# Altium PCB PCB_AirMeter.PcbDoc
Units mm, origin at the board's own origin, x right, y up, seen from the top; angles counter-clockwise.
Board outline 88 x 94 mm, 2 copper layers (Top Layer, Bottom Layer); 87 components, 71 nets, 382 pads, 78 vias.
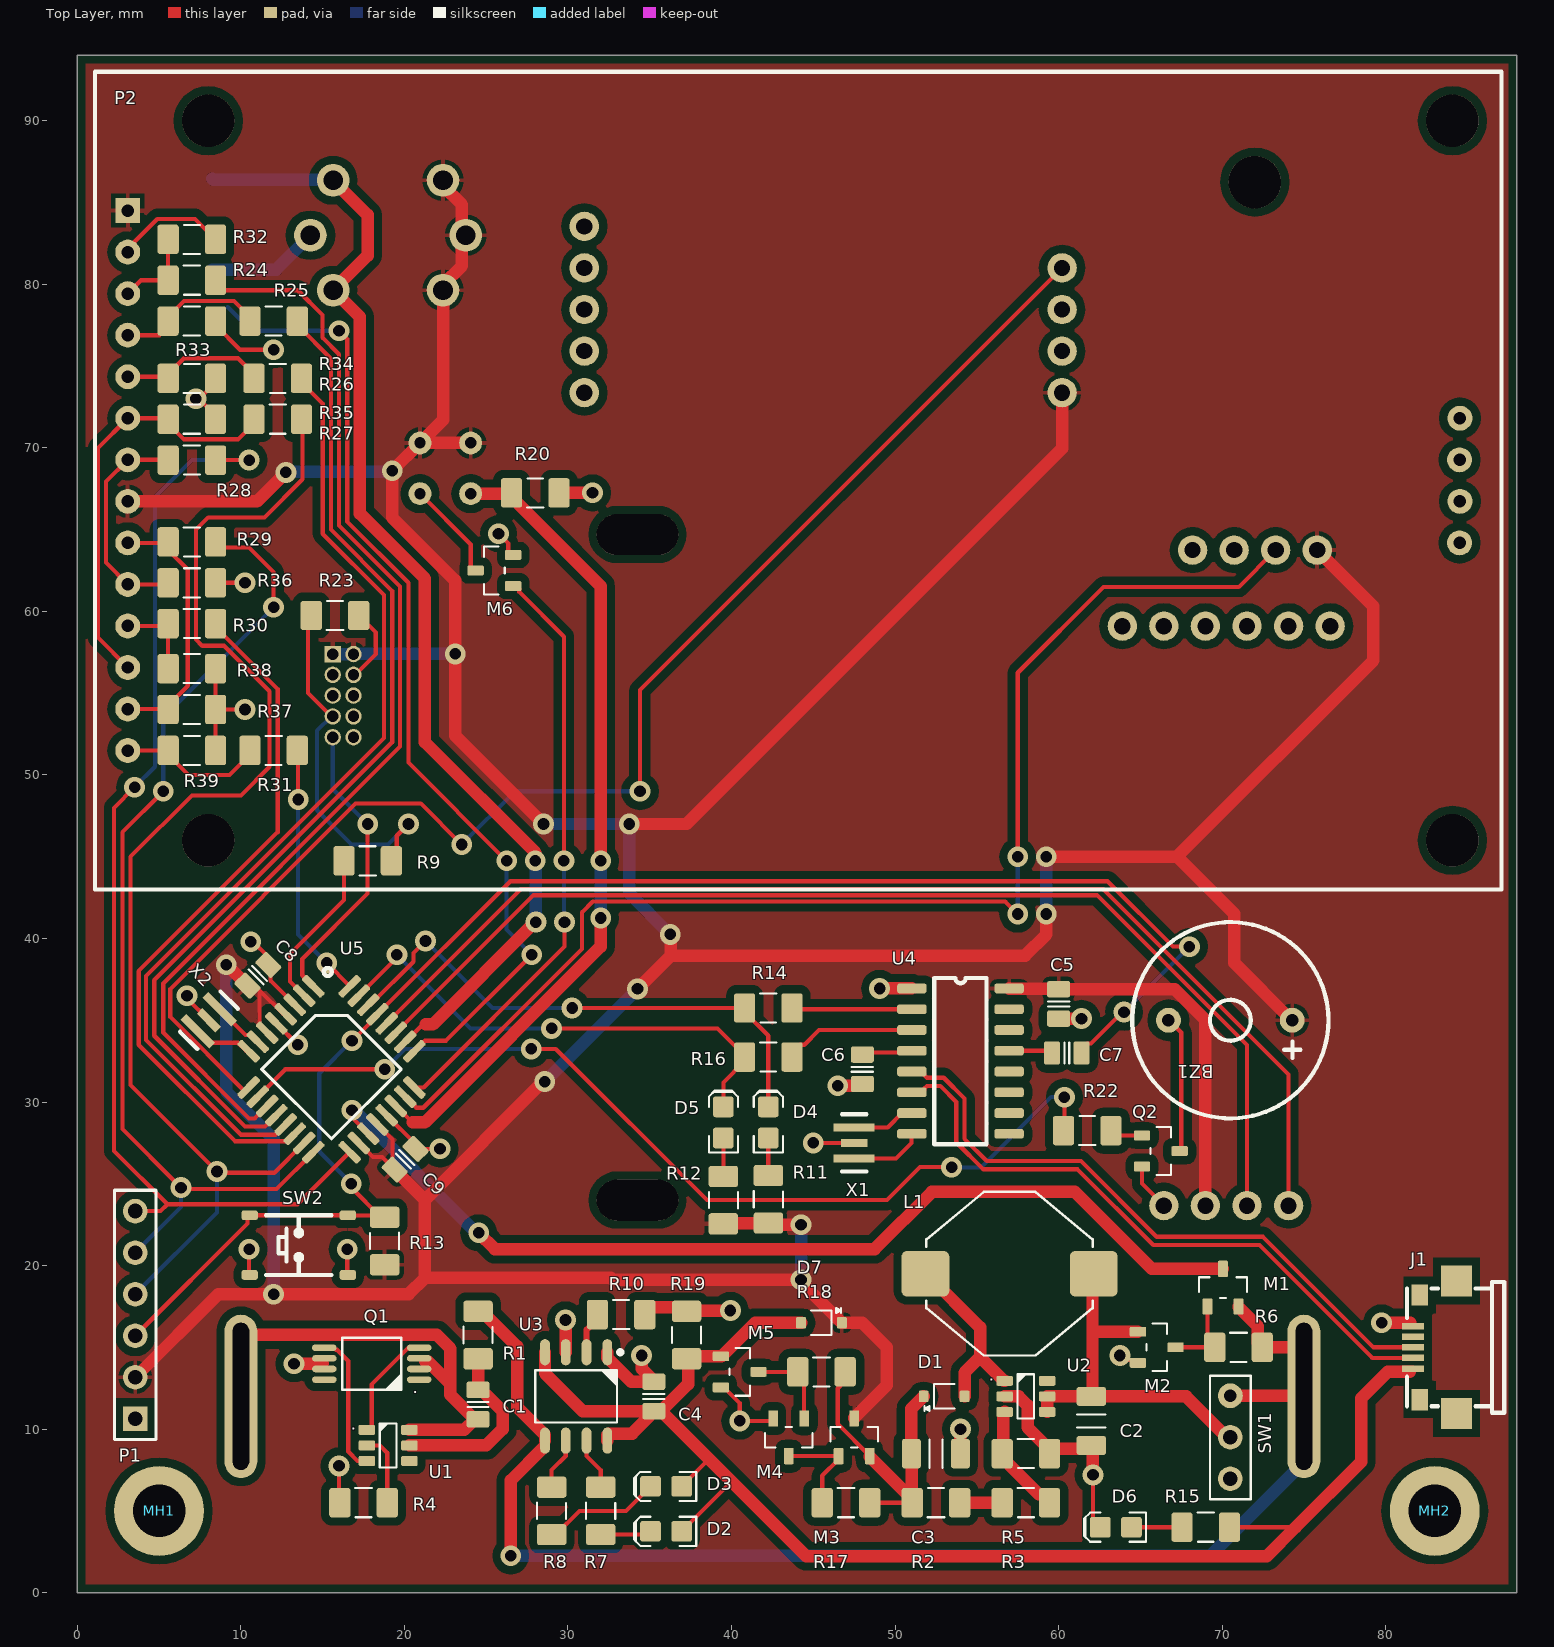
[diagram p0: Top Layer view]
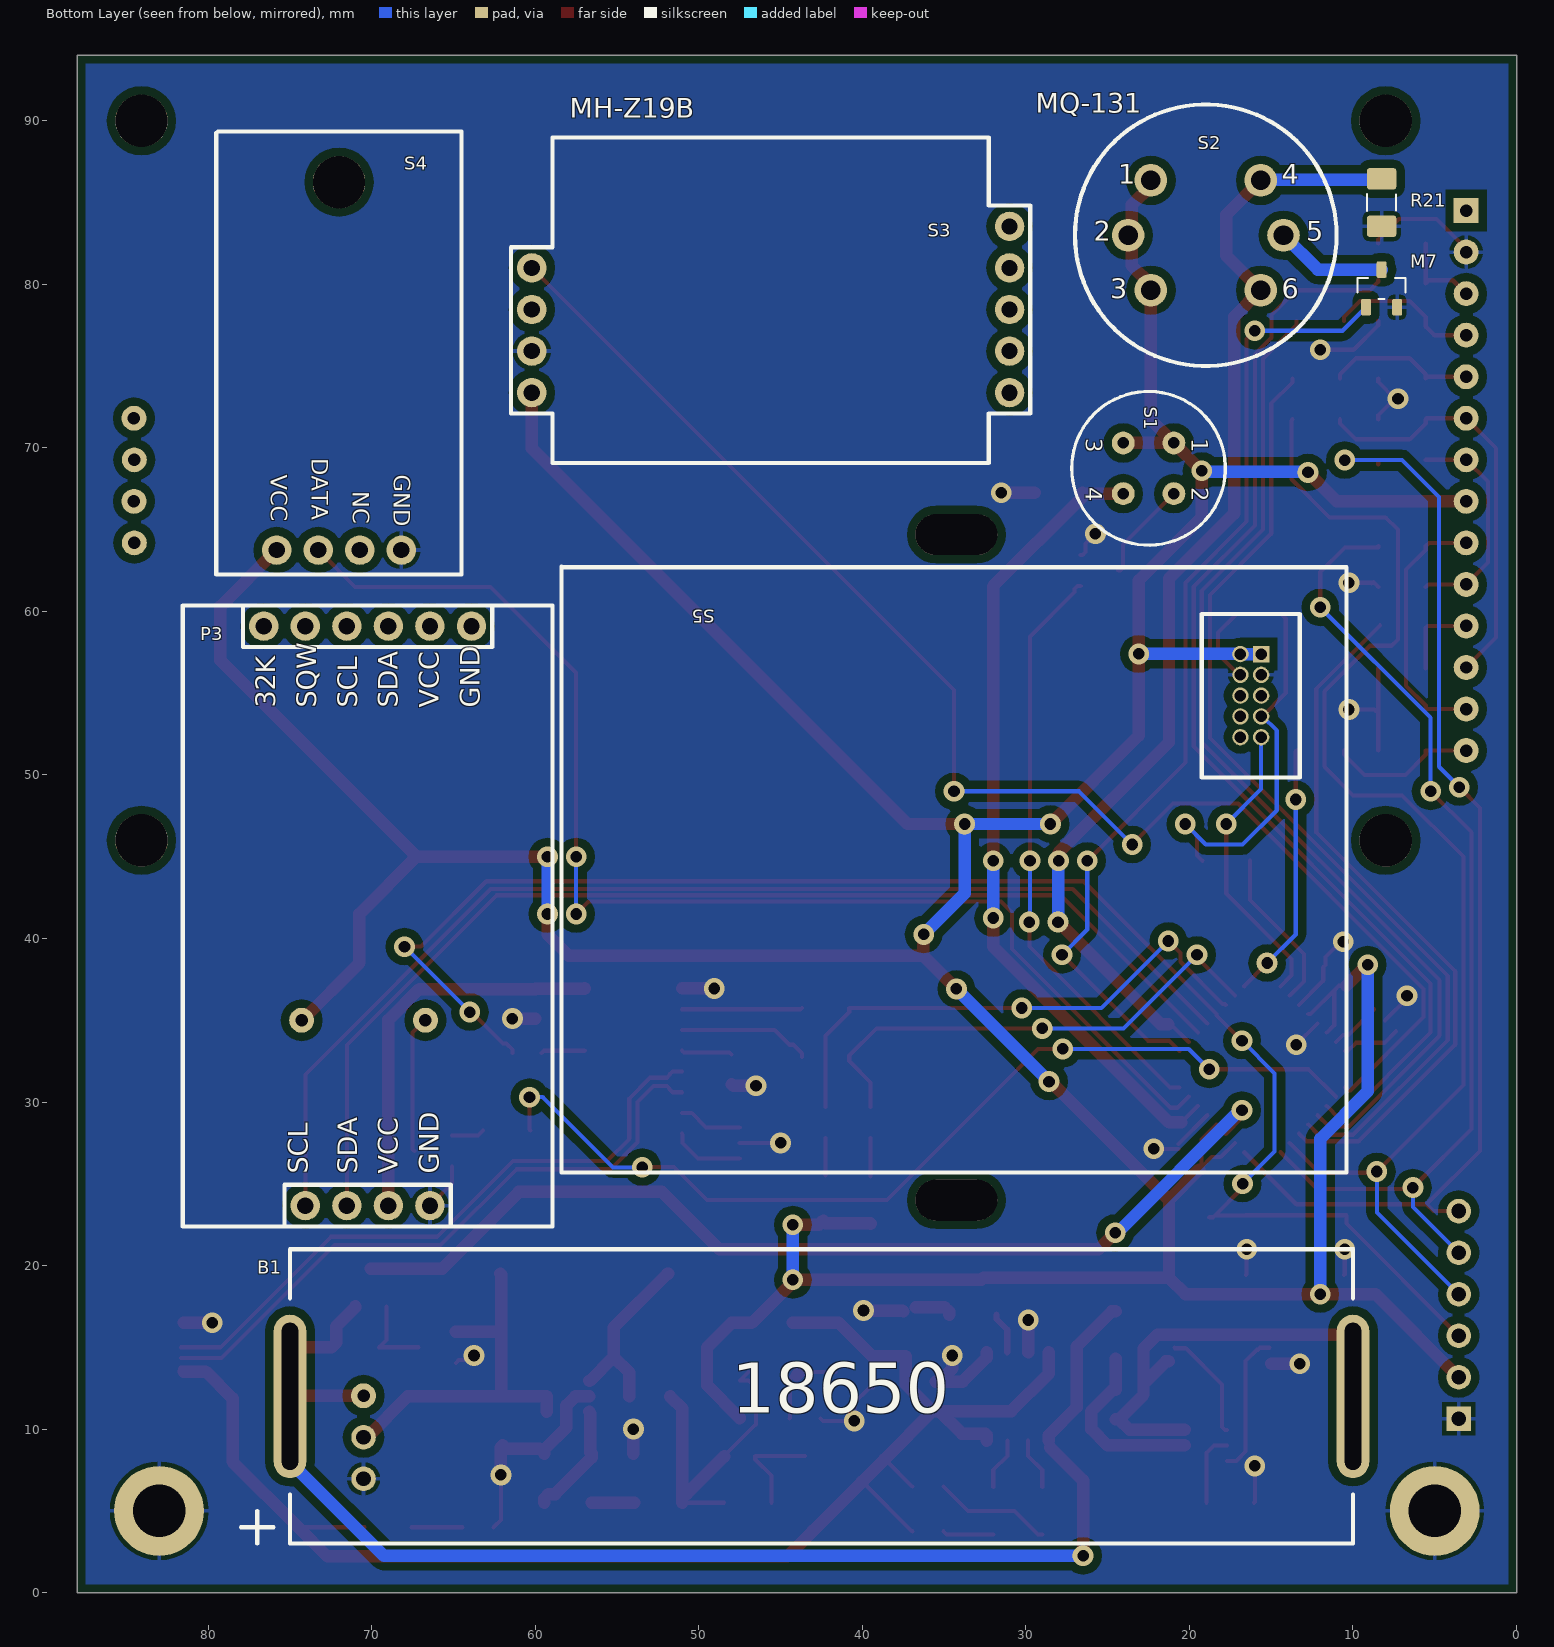
[diagram p1: Bottom Layer view, seen from below]
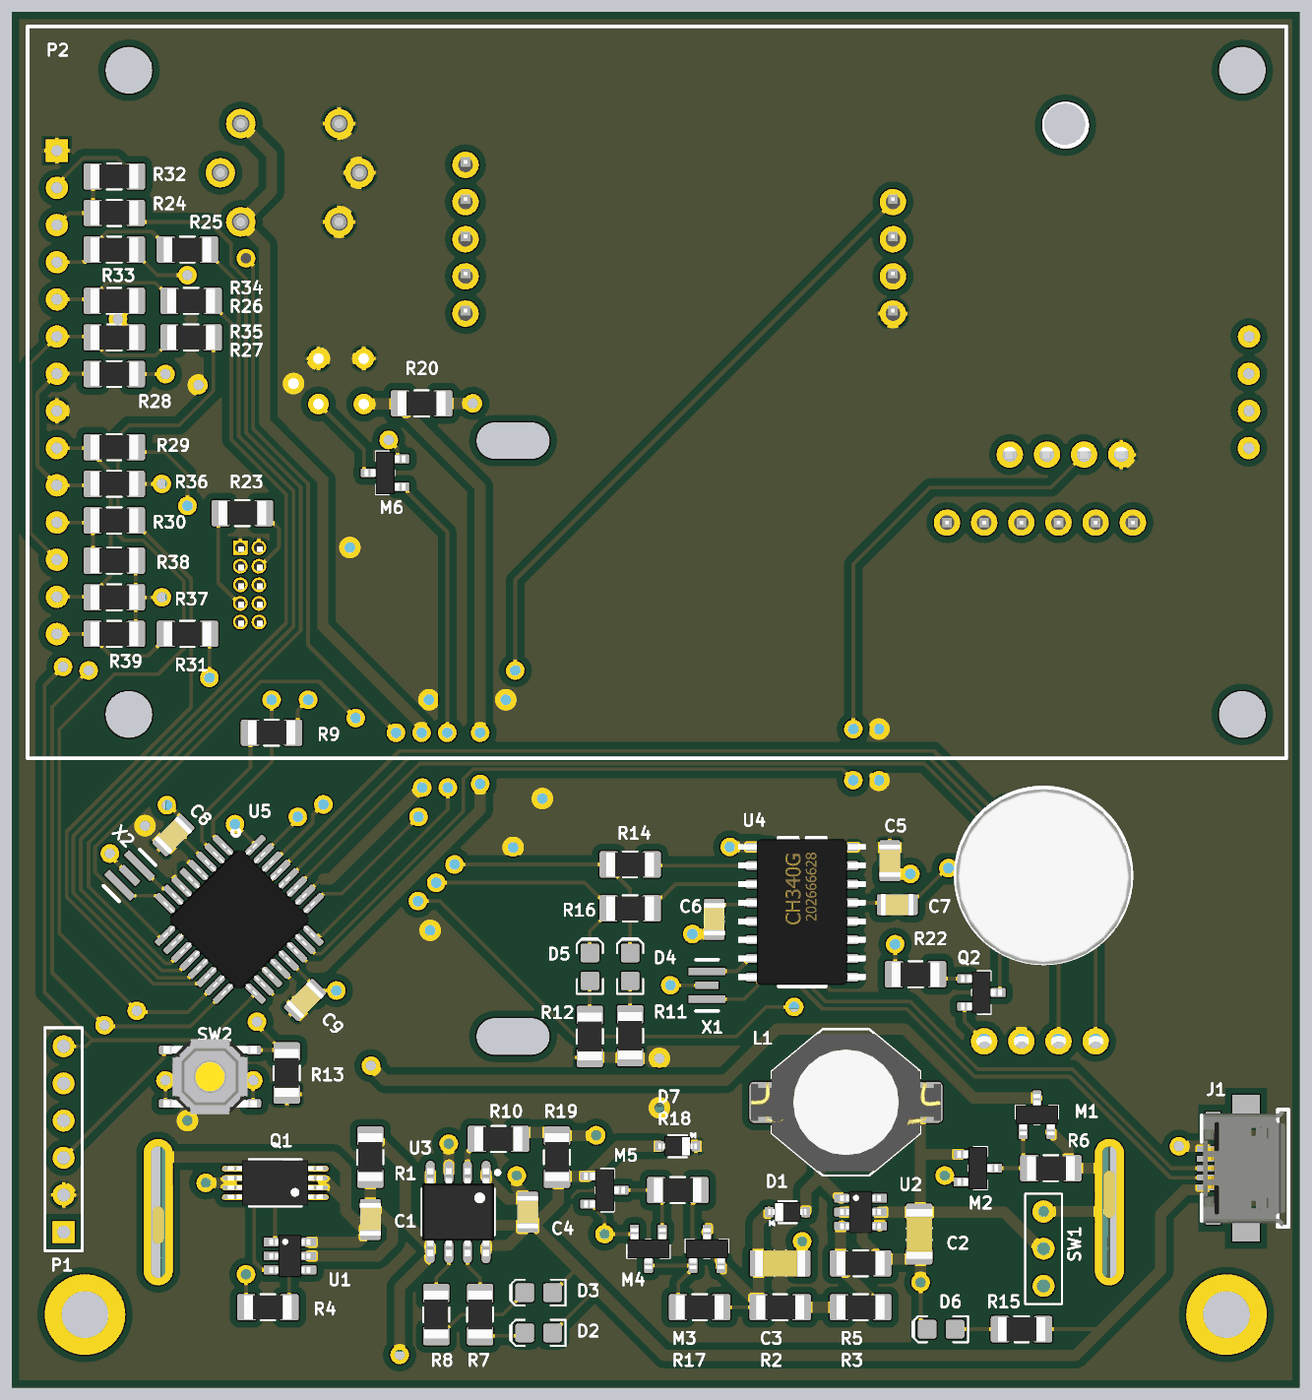
[diagram p2: 3D render of the assembled board from above, using the file's embedded part models]
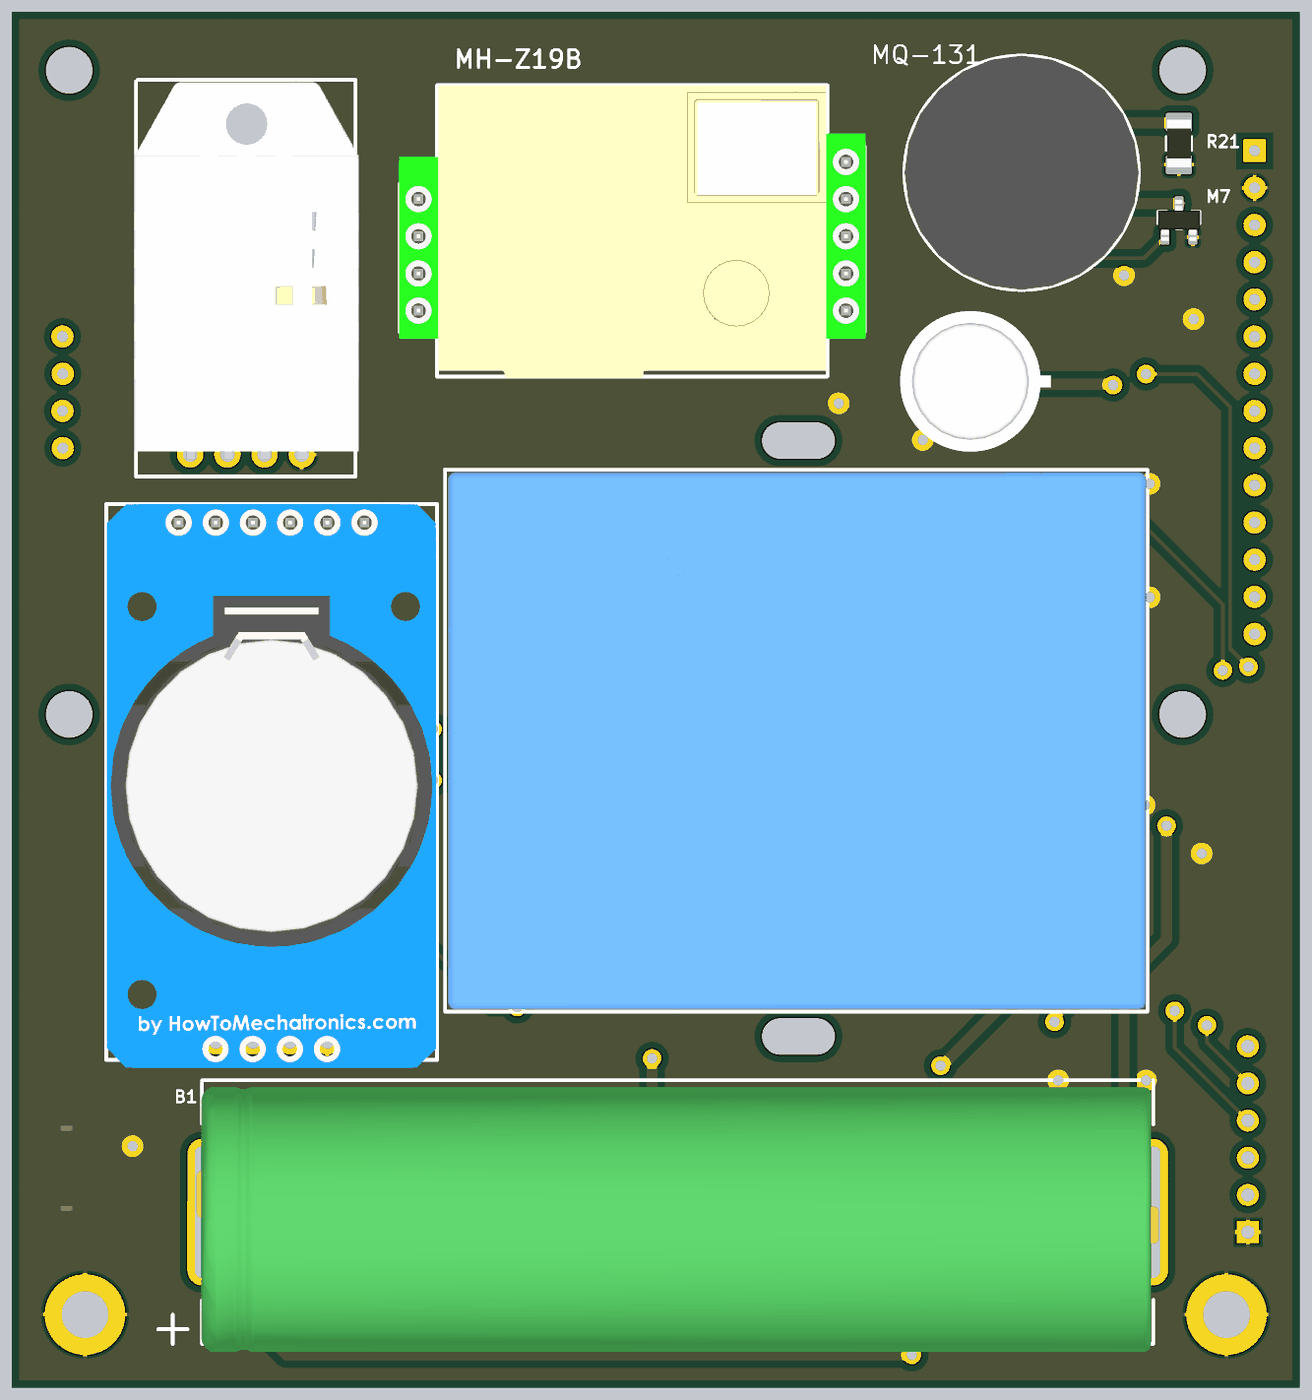
[diagram p3: 3D render of the assembled board from below, using the file's embedded part models]

## Layer stack, top to bottom
Top Solder: solder mask 0.0102, Solder Resist, Dk 3.5
Top Layer: signal copper 0.0356
Dielectric 1: dielectric 0.32, FR-4, Dk 4.8
Bottom Layer: signal copper 0.0356
Bottom Solder: solder mask 0.0102, Solder Resist, Dk 3.5

## Board outline
0,0 88,0 88,94 0,94

## Design rules (kind name [scope] priority, off if disabled: settings)
Clearance [All] p1: gap=0.5 ignorepadtopadclearanceinfootprint=TRUE except(0: Arc-Hole Track-Hole SMDPad-Hole THPad-Hole Via-Hole Fill-Hole Poly-Hole Region-Hole Text-Hole; 0.127: Arc-Arc Arc-Track Track-Track SMDPad-SMDPad; 0.15: Arc-Text Track-Text SMDPad-Text THPad-Text Via-Text Fill-Text Poly-Text Region-Text Text-Text; 0.2: Arc-SMDPad Track-SMDPad; 0.254: Arc-Via Track-Via SMDPad-Via THPad-Via Via-Via; 0.33: Arc-THPad Track-THPad SMDPad-THPad THPad-THPad)
ComponentClearance Sensors [(ObjectKind = 'Component') And ((Name = 'S1') Or (Name = 'S2') Or (Name = 'S3') Or (Name = 'S4') Or (Name = 'S5') Or (Name = 'P3') )] p1: gap=0 collisioncheckmode=3 verticalgap=0 showdistances=FALSE
ComponentClearance "TFT Screen" [(ObjectKind = 'Component') And (Comment = 'TFT_ILI9341')] p2: gap=0 collisioncheckmode=3 verticalgap=0 showdistances=FALSE
ComponentClearance [All] p3: gap=0.254 collisioncheckmode=3 verticalgap=2540 showdistances=FALSE
DiffPairsRouting [All] p1: maxlimit=0.254 minlimit=0.254 mostfreqgap=0.254 toplayer_minwidth=0.254 toplayer_maxwidth=0.254 toplayer_prefwidth=0.254 bottomlayer_minwidth=0.254 bottomlayer_maxwidth=0.254 bottomlayer_prefwidth=0.254 maxuncoupledlength=12.7
PolygonConnect [All] p1: thpad.connectstyle=Relief thpad.reliefconductorwidth=0.254 thpad.reliefentries=4 thpad.polygonreliefangle="90 Angle" thpad.airgapwidth=0.254 smdpad.connectstyle=Relief smdpad.reliefconductorwidth=0.254 smdpad.reliefentries=4 smdpad.polygonreliefangle="90 Angle" smdpad.airgapwidth=0.254 via.connectstyle=Direct via.reliefconductorwidth=0.254 via.reliefentries=4 via.polygonreliefangle="90 Angle" via.airgapwidth=0.254
RoutingVias [All] p1: holewidth=0.711 width=1.27 viastyle="Through Hole" minholewidth=0.3 minwidth=0.6 maxholewidth=0.711 maxwidth=1.27
SolderMaskExpansion [All] p1: expansion=0.102
Width [All] p1: maxlimit=0.762 minlimit=0.127 preferedwidth=0.254
28 further rules are at their usual default settings.

## Classes and differential pairs
component class "Sensors & Display": BZ1 M6 M7 P2 P3 Q2 R9 R20 R21 R22 R23 R24 R25 R26 R27 R28 R29 R30 R31 R32 R33 R34 R35 R36 R37 R38 R39 S1 S2 S3 S4 S5
component class SCH_System: C5 C6 C7 C8 C9 D4 D5 D6 D7 J1 M3 M4 M5 P1 R11 R12 R13 R14 R15 R16 R17 R18 R19 SW2 U4 U5 X1 X2
component class BMS: B1 C1 C2 C3 C4 D1 D2 D3 L1 M1 M2 MH1 MH2 Q1 R1 R2 R3 R4 R5 R6 R7 R8 R10 SW1 U1 U2 U3
differential pair D: +D_P -D_N

## Components (designator, comment, footprint, x,y, rotation, side; value= is the part's Value field where it differs from the comment)
B1 "18650" BAT_18650 75,12 r90 bottom locked
BZ1 "Buzzer" BZ_12085 70.5,35 r180 top locked
C1 "0.1uF" CAP_0805 24.5,11.5 r270 top
C2 "22uF" CAP_1206 62,10.5 r270 top
C3 "22uF" CAP_1206 52.5,8.5 r0 top
C4 "0.1uF" CAP_0805 35.25,12 r90 top
C5 "10uF" CAP_0805 60,36 r270 top
C6 "10nF" CAP_0805 48,32 r270 top
C7 "0.1uF" CAP_0805 60.5,33 r0 top
C8 "0.1uF" CAP_0805 11.039,37.75 r45 top
C9 "0.1uF" CAP_0805 20.039,26.5 r45 top
D1 "BAT60" SOD323 53,12 r0 top
D2 "LED_R" LED_0805 36,3.75 r180 top
D3 "LED_G" LED_0805 36,6.5 r180 top
D4 "LED_Y" LED_0805 42.25,28.75 r90 top
D5 "LED_Y" LED_0805 39.5,28.75 r90 top
D6 "LED_Y" LED_0805 63.5,4 r180 top
D7 "BAT60" SOD323 45.5,16.5 r180 top
J1 "USB_Micro_TypeB" USB_Micro_TypeB 83,15 r90 top
L1 "INDC_22uH" IND_10x10 57,19.5 r180 top locked
M1 "FDN304P" SOT23_213 70.05,18.65 r90 top
M2 "FDN335N" SOT23_213 66,15 r0 top
M3 "FDN304P" SOT23_213 47.5,9.5 r90 top
M4 "FDN335N" SOT23_213 43.5,9.5 r270 top
M5 "FDN335N" SOT23_213 40.5,13.5 r0 top
M6 "FDN335N" SOT23_213 25.5,62.5 r180 top
M7 "FDN335N" SOT23_213 8.25,79.75 r90 bottom
MH1 "Hole_M3" Hole_M3 5,5 r0 top
MH2 "Hole_M3" Hole_M3 83,5 r0 top
P1 "ISCP" HDR1X6 3.539,10.63 r90 top
P2 "TFT_ILI9341" TFT_ILI9341 1.08,93 r270 top locked
P3 "RTC_DS3231" "DS3231 RTC" 63.9,59.1 r90 bottom locked
Q1 "FS8205A" TSSOP65P640X120-8N 18,14 r180 top
Q2 "S8050_J3Y" SOT23_213 66.25,27 r0 top
R1 "100R" RESC3216X70N 24.5,15.75 r270 top value=N/A
R2 "12K" RESC3216X70N 52.5,5.5 r0 top value=N/A
R3 "2K7" RESC3216X70N 58,5.5 r180 top value=N/A
R4 "1K" RESC3216X70N 17.5,5.5 r180 top value=N/A
R5 "2K" RESC3216X70N 58,8.5 r180 top value=N/A
R6 "10K" RESC3216X70N 71,15 r180 top value=N/A
R7 "1K" RESC3216X70N 32,5 r270 top value=N/A
R8 "1K" RESC3216X70N 29,5 r270 top value=N/A
R9 "1K" RESC3216X70N 17.75,44.75 r0 top value=N/A
R10 "1K2" RESC3216X70N 33.25,17 r0 top value=N/A
R11 "470R" RESC3216X70N 42.25,24.05 r270 top value=N/A
R12 "470R" RESC3216X70N 39.5,24 r90 top value=N/A
R13 "10K" RESC3216X70N 18.789,21.5 r90 top value=N/A
R14 "1K" RESC3216X70N 42.25,35.75 r180 top value=N/A
R15 "150R" RESC3216X70N 69,4 r180 top value=N/A
R16 "1K" RESC3216X70N 42.25,32.75 r180 top value=N/A
R17 "10K" RESC3216X70N 47,5.5 r180 top value=N/A
R18 "10K" RESC3216X70N 45.5,13.5 r180 top value=N/A
R19 "10K" RESC3216X70N 37.25,15.75 r90 top value=N/A
R20 "100K" RESC3216X70N 28,67.25 r0 top value=N/A
R21 "1M" RESC3216X70N 8.25,85 r270 bottom value=N/A
R22 "3K3" RESC3216X70N 61.75,28.25 r0 top value=N/A
R23 "2K" RESC3216X70N 15.75,59.75 r0 top value=N/A
R24 "1K" RESC3216X70N 7,80.25 r180 top value=N/A
R25 "1K" RESC3216X70N 12,77.75 r180 top value=N/A
R26 "1K" RESC3216X70N 12.25,74.25 r180 top value=N/A
R27 "1K" RESC3216X70N 12.25,71.75 r180 top value=N/A
R28 "1K" RESC3216X70N 7,69.25 r180 top value=N/A
R29 "1K" RESC3216X70N 7,64.25 r180 top value=N/A
R30 "1K" RESC3216X70N 7,59.25 r180 top value=N/A
R31 "1K" RESC3216X70N 12,51.5 r180 top value=N/A
R32 "2K" RESC3216X70N 7,82.75 r0 top value=N/A
R33 "2K" RESC3216X70N 7,77.75 r0 top value=N/A
R34 "2K" RESC3216X70N 7,74.25 r0 top value=N/A
R35 "2K" RESC3216X70N 7,71.75 r0 top value=N/A
R36 "2K" RESC3216X70N 7,61.75 r0 top value=N/A
R37 "2K" RESC3216X70N 7,54 r0 top value=N/A
R38 "2K" RESC3216X70N 7,56.5 r0 top value=N/A
R39 "2K" RESC3216X70N 7,51.5 r0 top value=N/A
S1 "MP503" "MP503 VOC SENSOR" 22.5,68.75 r270 bottom locked
S2 "MQ-131" "MQ-131 OZONE SENSOR" 19,83 r180 bottom locked
S3 "MH-Z19B" "MH-Z19B CO2 SENSOR" 31,73.38 r90 bottom locked
S4 "DHT22" DHT22 72,75 r180 bottom locked
S5 "PMS7003" PMS7003 10.4,62.7 r0 bottom locked
SW1 "SW_THD_SPDT" 3P_header 70.5,6.96 r0 top
SW2 "SW_Button" Button_4x4x1.5 13.539,21.25 r0 top
U1 "DW01" SOT23-6 19,9 r0 top
U2 "MT3608" SOT23-6 58,12 r0 top
U3 "TC4056A" SOIC127P600X175-8AN 30.5,12 r270 top
U4 "CH340G" CH340G 54,32.5 r0 top
U5 "ATMEGA328P-AU" ATMEGA328P-AU 15.539,32 r315 top locked
X1 "12MHz" XTAL_3.2x1.6 47.5,27.5 r270 top
X2 "16MHz" XTAL_3.2x1.6 8.039,35 r225 top
